# Altium PCB Main_Board.PcbDoc (part 13 of 19)
Units mil, origin at the board's own origin, x right, y up, seen from the top; angles counter-clockwise.
Board outline 5306 x 6610 mil, 12 copper layers ((L1) Top, (L2) Inner 1, (L3) Inner 2, (L4) Inner 3, (L5) Inner 4, (L6) Inner 5, (L7) Inner 6, (L8) Inner 7, (L9) Inner 8, (L10) Inner 9, (L11) Inner 10, (L12) Bottom), stack 94.81 mil thick; 347 components, 571 nets, 2611 pads, 4053 vias.
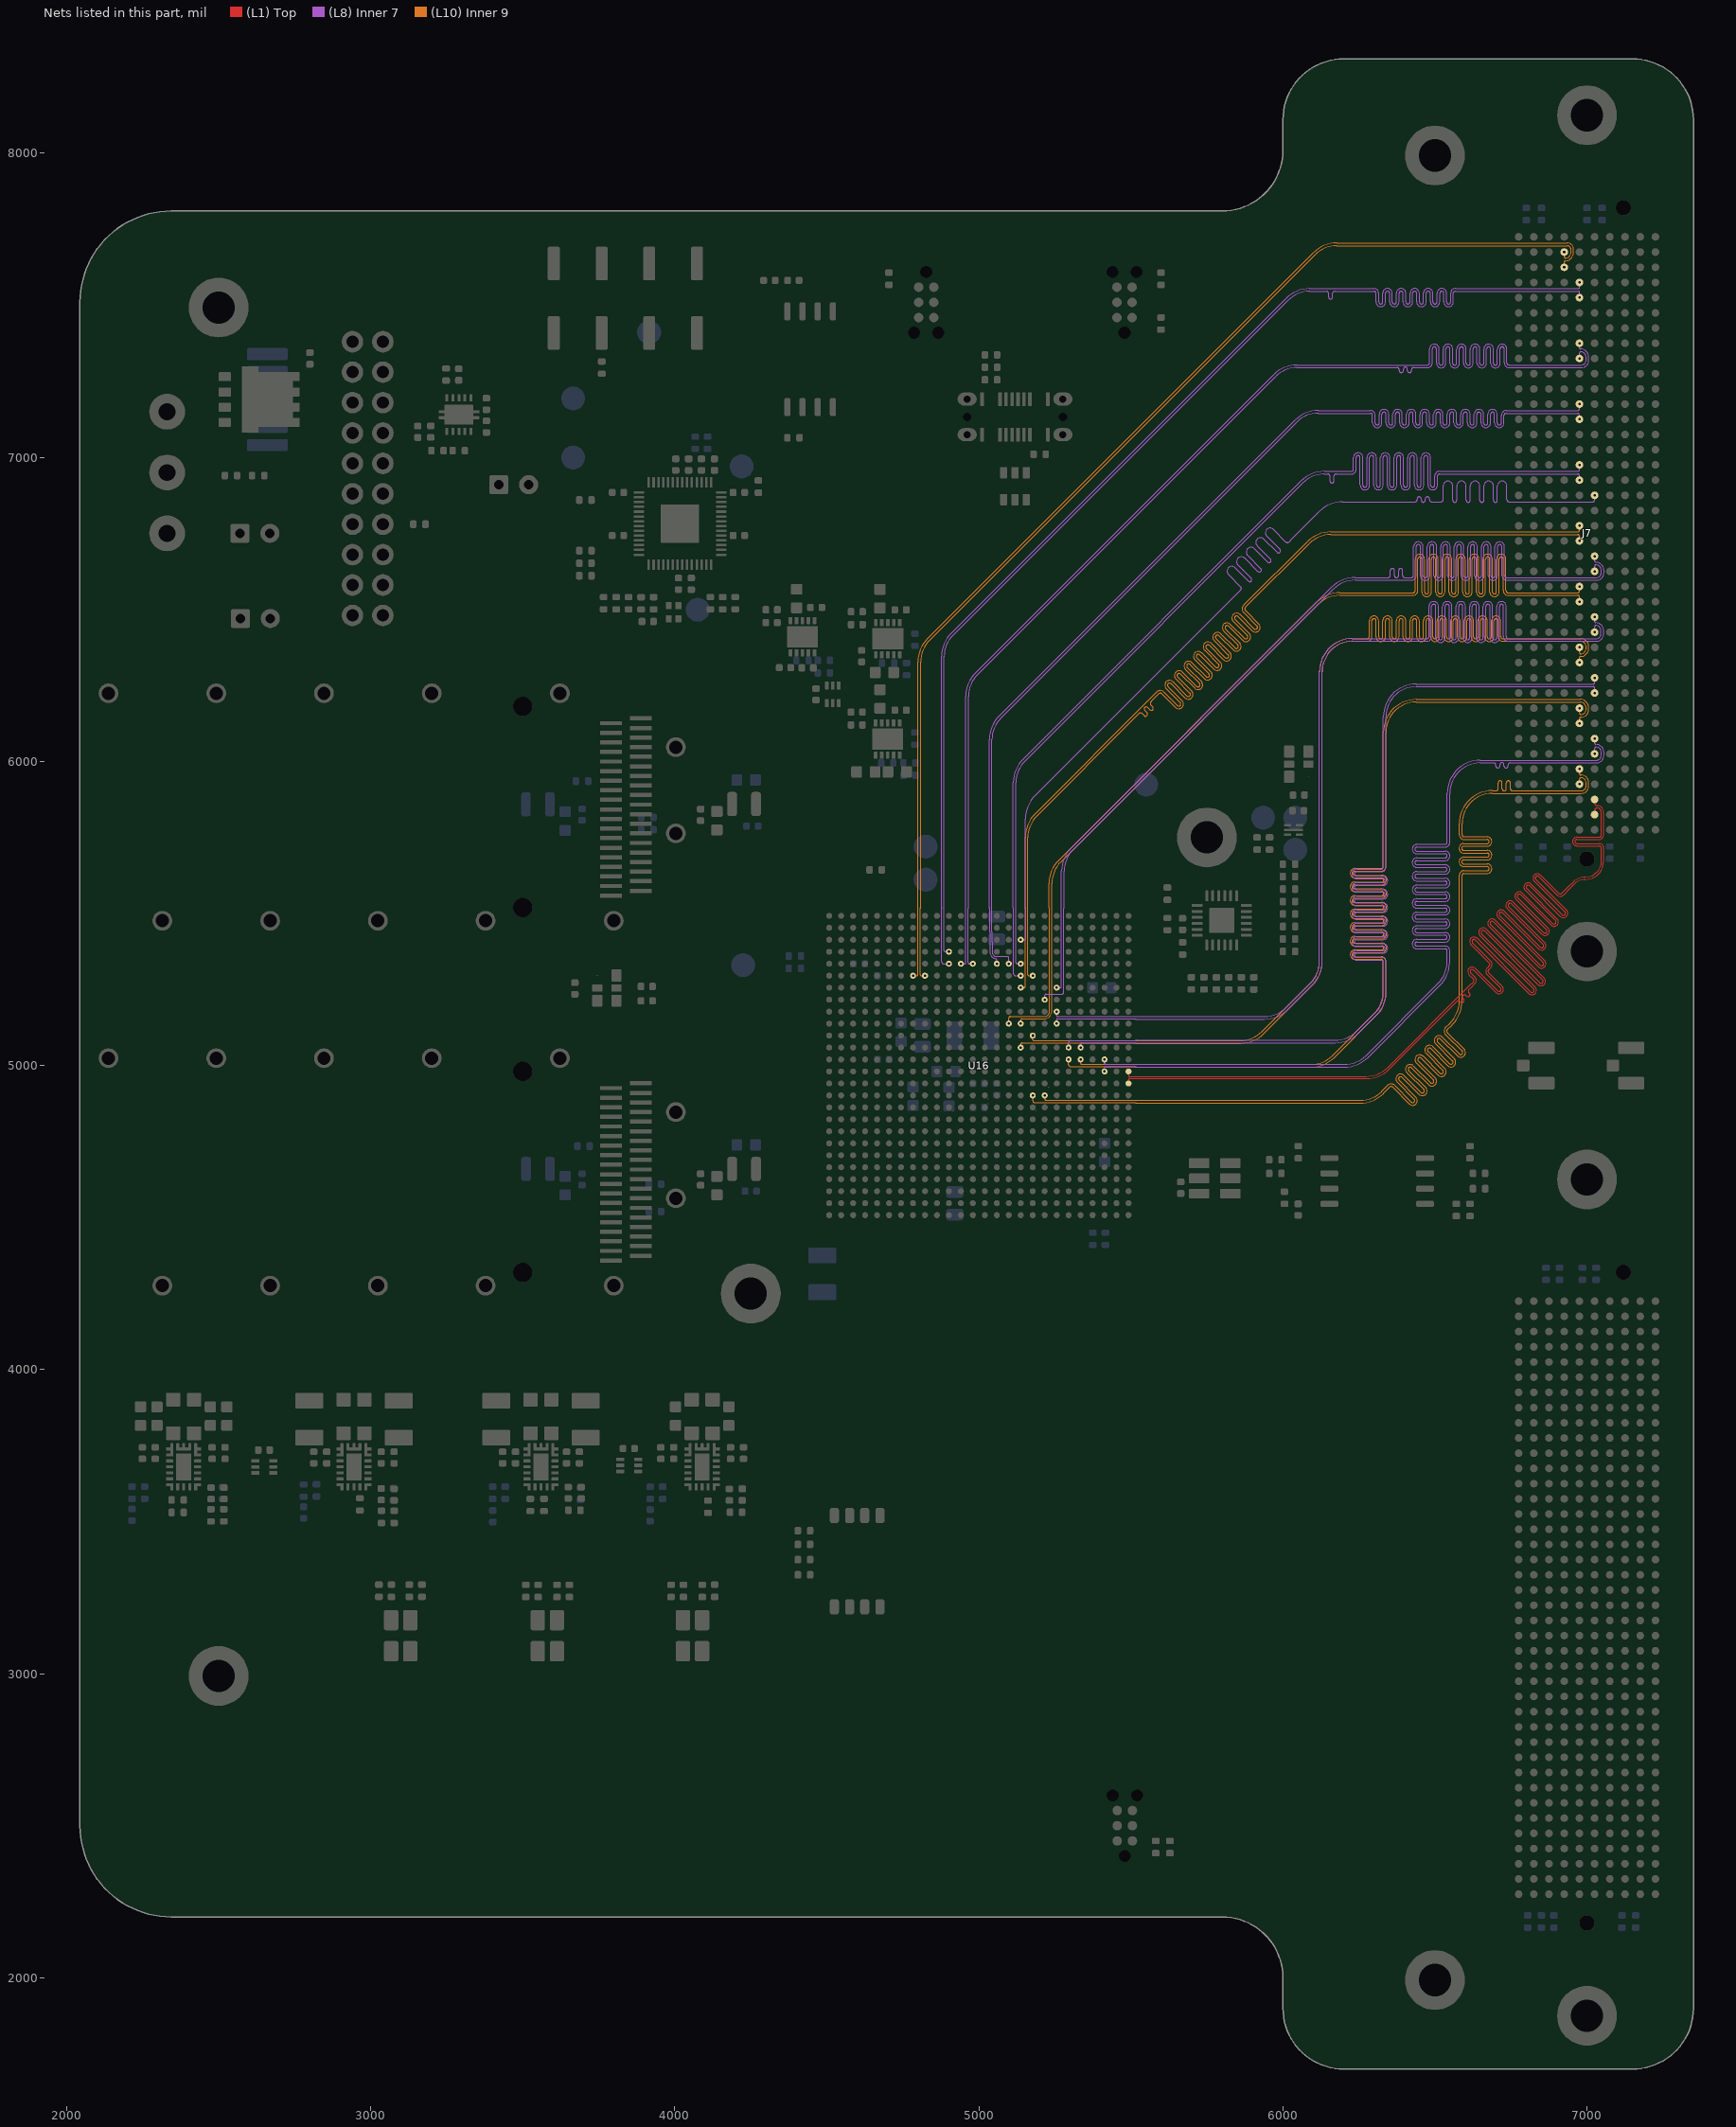
[diagram p23: the nets of this part, all layers, seen from the top]

## Via types
v1: diameter 13.78, hole 7.87, (L1) Top to (L12) Bottom, tented both sides, 4044 vias
v2: diameter 13.78, hole 7.87, (L1) Top to (L12) Bottom, tented bottom, 9 vias

## Nets (pads, with @x,y where several pads share a name; then routed paths per layer and width w, separated by ;. In a path a pad name is that pad's centre, name@x,y a point inside that pad or via, vN(x,y) a via of type N, cw(c..) or ccw(c..) an arc to the next point about the centre after c; other vN are vias at no path point) (continued)
HPCC_B_29_P: J7.E18 U16.C17 | length 4129.2
  (L8) Inner 7 w3.5: v1(5137.8,5413.39) 5150.31,5413.39 ccw(c5150.31,5416.89) 5152.78,5414.41 ccw(c5150.31,5416.89) 5153.81,5416.89 5153.81,5516.23 ccw(c5151.33,5516.23) 5153.08,5517.98 cw(c5154.83,5519.73) 5152.36,5519.73 5152.36,5809.73 cw(c5261.16,5809.73) 5184.22,5886.67 5857.23,6559.67 5861.58,6564.02 ccw(c5856.81,6568.8) 5861.58,6573.57 5820.66,6614.49 cw(c5831.63,6625.51) 5820.63,6636.5 cw(c5831.63,6625.51) 5841.16,6637.79 5841.34,6637.79 5886.22,6592.91 ccw(c5890.97,6597.7) 5895.75,6592.93 ccw(c5890.97,6597.7) 5895.73,6602.49 ; 5852.2,6646.02 5895.72,6602.5 ; 5852.19,6646.03 cw(c5863.17,6657.05) 5852.17,6668.04 cw(c5863.17,6657.05) 5872.7,6669.33 5872.87,6669.33 5917.76,6624.44 ccw(c5922.51,6629.24) 5927.28,6624.47 ccw(c5922.51,6629.24) 5927.27,6634.03 5883.73,6677.56 ; 5883.72,6677.57 cw(c5894.7,6688.58) 5883.71,6699.58 cw(c5894.7,6688.58) 5904.24,6700.87 5904.41,6700.87 5949.3,6655.98 ccw(c5954.05,6660.77) 5958.82,6656 ccw(c5954.05,6660.77) 5958.8,6665.56 ; 5958.79,6665.57 5915.27,6709.1 cw(c5926.24,6720.12) 5915.24,6731.11 cw(c5926.24,6720.12) 5935.77,6732.4 5935.95,6732.4 5980.83,6687.52 ccw(c5985.58,6692.31) 5990.36,6687.54 ccw(c5985.58,6692.31) 5990.34,6697.1 5946.81,6740.63 cw(c5957.78,6751.66) 5946.78,6762.65 cw(c5957.78,6751.66) 5967.31,6763.94 5967.48,6763.94 6009.72,6721.71 ccw(c6014.49,6726.48) 6019.26,6721.71 6032.73,6735.17 6119.49,6821.93 cw(c6196.42,6745) 6196.42,6853.8 6432.94,6853.8 6434.69,6853.8 ccw(c6434.69,6860.55) 6441.44,6860.55 6441.44,6863.35 cw(c6448.19,6863.35) 6454.94,6863.35 6454.94,6859.1 ccw(c6461.69,6859.1) 6468.44,6859.1 6468.44,6863.35 cw(c6475.19,6863.35) 6481.94,6863.35 6481.94,6860.55 ccw(c6488.69,6860.55) 6488.69,6853.8 6512.84,6853.8 6514.19,6853.8 6520.34,6853.8 ccw(c6520.34,6860.55) 6527.09,6860.55 6527.09,6906.08 cw(c6542.64,6906.08) 6558.19,6906.08 6558.19,6858.88 ccw(c6564.94,6858.88) 6571.69,6858.88 6571.69,6906.08 cw(c6587.24,6906.08) 6602.79,6906.08 6602.79,6858.88 ccw(c6609.54,6858.88) 6616.29,6858.88 6616.29,6906.08 cw(c6631.84,6906.08) 6647.39,6906.08 6647.39,6858.88 ccw(c6654.14,6858.88) 6660.89,6858.88 6660.89,6906.08 cw(c6676.44,6906.08) 6691.99,6906.08 6691.99,6858.88 ccw(c6698.74,6858.88) 6705.49,6858.88 6705.49,6906.08 cw(c6721.04,6906.08) 6736.59,6906.08 6736.59,6860.55 ccw(c6743.34,6860.55) 6743.34,6853.8 6779.97,6853.8 7019,6853.8 ccw(c7019,6859.8) 7025,6859.8 v1(7025,6875)
HPCC_B_30_N: J7.E23 U16.G20 | length 4265.7
  (L8) Inner 7 w3.5: v1(5255.91,5255.91) 5268.15,5255.91 ccw(c5268.15,5259.41) 5271.65,5259.41 5271.65,5639.03 cw(c5380.45,5639.03) 5303.52,5715.96 6160.49,6572.93 cw(c6237.42,6496) 6237.42,6604.8 6344.75,6604.8 6346.5,6604.8 ccw(c6346.5,6611.55) 6353.25,6611.55 6353.25,6627.6 cw(c6360,6627.6) 6366.75,6627.6 6366.75,6610.72 ccw(c6373.5,6610.72) 6380.25,6610.72 6380.25,6627.6 cw(c6387,6627.6) 6393.75,6627.6 6393.75,6611.55 ccw(c6400.5,6611.55) 6400.5,6604.8 6409.84,6604.8 6417,6604.8 6423.15,6604.8 ccw(c6423.15,6611.55) 6429.9,6611.55 6429.9,6706.41 cw(c6445.45,6706.41) 6461,6706.41 6461,6611.12 ccw(c6467.75,6611.12) 6474.5,6611.12 6474.5,6706.41 cw(c6490.05,6706.41) 6505.6,6706.41 6505.6,6611.12 ccw(c6512.35,6611.12) 6519.1,6611.12 6519.1,6706.41 cw(c6534.65,6706.41) 6550.2,6706.41 6550.2,6611.12 ccw(c6556.95,6611.12) 6563.7,6611.12 6563.7,6706.41 cw(c6579.25,6706.41) 6594.8,6706.41 6594.8,6611.12 ccw(c6601.55,6611.12) 6608.3,6611.12 6608.3,6706.41 cw(c6623.85,6706.41) 6639.4,6706.41 6639.4,6611.12 ccw(c6646.15,6611.12) 6652.9,6611.12 6652.9,6706.41 cw(c6668.45,6706.41) 6684,6706.41 6684,6611.12 ccw(c6690.75,6611.12) 6697.5,6611.12 6697.5,6706.41 cw(c6713.05,6706.41) 6728.6,6706.41 6728.6,6611.55 ccw(c6735.35,6611.55) 6735.35,6604.8 6753,6604.8 7030.8,6604.8 ccw(c7030.8,6621) 7047,6621 7047,6628 ccw(c7029,6628) 7029,6646 ccw(c7029,6642) 7025,6642 v1(7025,6625)
HPCC_B_30_P: J7.E22 U16.H19 | length 4265.1
  (L8) Inner 7 w3.5: v1(5216.54,5216.54) 5216.54,5229.54 cw(c5222,5229.54) 5222,5235 5273,5235 ccw(c5273,5241) 5279,5241 5279,5516.23 cw(c5281.48,5516.23) 5279.72,5517.98 ; 5279.73,5517.98 ccw(c5277.97,5519.73) 5280.45,5519.73 5280.45,5639.03 cw(c5380.45,5639.03) 5309.74,5709.74 6166.71,6566.71 cw(c6237.42,6496) 6237.42,6596 6417,6596 6423.15,6596 ccw(c6423.15,6611.55) 6438.7,6611.55 6438.7,6706.41 cw(c6445.45,6706.41) 6452.2,6706.41 6452.2,6611.12 ccw(c6467.75,6611.12) 6483.3,6611.12 6483.3,6706.41 cw(c6490.05,6706.41) 6496.8,6706.41 6496.8,6611.12 ccw(c6512.35,6611.12) 6527.9,6611.12 6527.9,6706.41 cw(c6534.65,6706.41) 6541.4,6706.41 6541.4,6611.12 ccw(c6556.95,6611.12) 6572.5,6611.12 6572.5,6706.41 cw(c6579.25,6706.41) 6586,6706.41 6586,6611.12 ccw(c6601.55,6611.12) 6617.1,6611.12 6617.1,6706.41 cw(c6623.85,6706.41) 6630.6,6706.41 6630.6,6611.12 ccw(c6646.15,6611.12) 6661.7,6611.12 6661.7,6706.41 cw(c6668.45,6706.41) 6675.2,6706.41 6675.2,6611.12 ccw(c6690.75,6611.12) 6706.3,6611.12 6706.3,6706.41 cw(c6713.05,6706.41) 6719.8,6706.41 6719.8,6611.55 ccw(c6735.35,6611.55) 6735.35,6596 6753,6596 7030.8,6596 ccw(c7030.8,6621) 7055.8,6621 7055.8,6628 ccw(c7029,6628) 7029,6654.8 cw(c7029,6658.8) 7025,6658.8 v1(7025,6675)
HPCC_B_31_N: J7.E27 U16.J20 | length 4367.4
  (L8) Inner 7 w3.5: v1(5255.91,5177.17) 5255.91,5164.66 ccw(c5259.41,5164.66) 5256.93,5162.18 ccw(c5259.41,5164.66) 5259.41,5161.16 5939.73,5161.16 ccw(c5939.73,5261.16) 6010.44,5190.44 6090.71,5270.71 ccw(c6020,5341.42) 6120,5341.42 6120,6295 cw(c6228.8,6295) 6228.8,6403.8 6429.99,6403.8 6473.45,6403.8 ccw(c6473.45,6410.55) 6480.2,6410.55 6480.2,6510.05 cw(c6495.75,6510.05) 6511.3,6510.05 6511.3,6406.61 ccw(c6518.05,6406.61) 6524.8,6406.61 6524.8,6510.05 cw(c6540.35,6510.05) 6555.9,6510.05 6555.9,6406.61 ccw(c6562.65,6406.61) 6569.4,6406.61 6569.4,6510.05 cw(c6584.95,6510.05) 6600.5,6510.05 6600.5,6406.61 ccw(c6607.25,6406.61) 6614,6406.61 6614,6510.05 cw(c6629.55,6510.05) 6645.1,6510.05 6645.1,6406.61 ccw(c6651.85,6406.61) 6658.6,6406.61 6658.6,6510.05 cw(c6674.15,6510.05) 6689.7,6510.05 6689.7,6406.61 ccw(c6696.45,6406.61) 6703.2,6406.61 6703.2,6510.05 cw(c6718.75,6510.05) 6734.3,6510.05 6734.3,6410.55 ccw(c6741.05,6410.55) 6741.05,6403.8 6769.5,6403.8 7030.8,6403.8 ccw(c7030.8,6419) 7046,6419 7046,6430 ccw(c7029,6430) 7029,6447 ccw(c7029,6443) 7025,6443 v1(7025,6425)
HPCC_B_31_P: J7.E26 U16.K20 | length 4393.1
  (L8) Inner 7 w3.5: v1(5255.91,5137.8) 5255.91,5150.31 cw(c5259.41,5150.31) 5256.93,5152.78 cw(c5259.41,5150.31) 5259.41,5153.81 5515,5153.81 ccw(c5516.45,5153.81) 5516.45,5152.36 5939.73,5152.36 ccw(c5939.73,5261.16) 6016.67,5184.22 6096.93,5264.49 ccw(c6020,5341.42) 6128.8,5341.42 6128.8,6295 cw(c6228.8,6295) 6228.8,6395 6429.99,6395 6473.45,6395 ccw(c6473.45,6410.55) 6489,6410.55 6489,6510.05 cw(c6495.75,6510.05) 6502.5,6510.05 6502.5,6406.61 ccw(c6518.05,6406.61) 6533.6,6406.61 6533.6,6510.05 cw(c6540.35,6510.05) 6547.1,6510.05 6547.1,6406.61 ccw(c6562.65,6406.61) 6578.2,6406.61 6578.2,6510.05 cw(c6584.95,6510.05) 6591.7,6510.05 6591.7,6406.61 ccw(c6607.25,6406.61) 6622.8,6406.61 6622.8,6510.05 cw(c6629.55,6510.05) 6636.3,6510.05 6636.3,6406.61 ccw(c6651.85,6406.61) 6667.4,6406.61 6667.4,6510.05 cw(c6674.15,6510.05) 6680.9,6510.05 6680.9,6406.61 ccw(c6696.45,6406.61) 6712,6406.61 6712,6510.05 cw(c6718.75,6510.05) 6725.5,6510.05 6725.5,6410.55 ccw(c6741.05,6410.55) 6741.05,6395 6769.5,6395 7030.8,6395 ccw(c7030.8,6419) 7054.8,6419 7054.8,6430 ccw(c7029,6430) 7029,6455.8 cw(c7029,6459.8) 7025,6459.8 v1(7025,6475)
HPCC_B_32_N: J7.E31 U16.M22 | length 4159.9
  (L8) Inner 7 w3.5: v1(5334.65,5059.06) 5334.65,5071.5 cw(c5338.15,5071.5) 5338.15,5075 6172.38,5075 ccw(c6172.38,5183.8) 6249.31,5106.87 6306.93,5164.49 ccw(c6230,5241.42) 6338.8,5241.42 6338.8,5334.2 6338.8,5340.35 ccw(c6323.25,5340.35) 6323.25,5355.9 6242,5355.9 cw(c6242,5362.65) 6242,5369.4 6329.29,5369.4 ccw(c6329.29,5384.95) 6329.29,5400.5 6242,5400.5 cw(c6242,5407.25) 6242,5414 6329.29,5414 ccw(c6329.29,5429.55) 6329.29,5445.1 6242,5445.1 cw(c6242,5451.85) 6242,5458.6 6329.29,5458.6 ccw(c6329.29,5474.15) 6329.29,5489.7 6242,5489.7 cw(c6242,5496.45) 6242,5503.2 6329.29,5503.2 ccw(c6329.29,5518.75) 6329.29,5534.3 6242,5534.3 cw(c6242,5541.05) 6242,5547.8 6329.29,5547.8 ccw(c6329.29,5563.35) 6329.29,5578.9 6242,5578.9 cw(c6242,5585.65) 6242,5592.4 6329.29,5592.4 ccw(c6329.29,5607.95) 6329.29,5623.5 6242,5623.5 cw(c6242,5630.25) 6242,5637 6323.25,5637 ccw(c6323.25,5652.55) 6338.8,5652.55 6338.8,5678.2 6338.8,6146 cw(c6438.8,6146) 6438.8,6246 7021,6246 cw(c7021,6242) 7025,6242 v1(7025,6225)
HPCC_B_32_P: J7.E30 U16.M21 | length 4205.1
  (L8) Inner 7 w3.5: v1(5295.28,5059.06) 5295.28,5075.28 cw(c5302.35,5075.28) 5302.35,5082.35 5515,5082.35 cw(c5516.45,5082.35) 5516.45,5083.8 6172.38,5083.8 ccw(c6172.38,5183.8) 6243.09,5113.09 6300.71,5170.71 ccw(c6230,5241.42) 6330,5241.42 6330,5334.2 6330,5340.35 ccw(c6323.25,5340.35) 6323.25,5347.1 6242,5347.1 cw(c6242,5362.65) 6242,5378.2 6329.29,5378.2 ccw(c6329.29,5384.95) 6329.29,5391.7 6242,5391.7 cw(c6242,5407.25) 6242,5422.8 6329.29,5422.8 ccw(c6329.29,5429.55) 6329.29,5436.3 6242,5436.3 cw(c6242,5451.85) 6242,5467.4 6329.29,5467.4 ccw(c6329.29,5474.15) 6329.29,5480.9 6242,5480.9 cw(c6242,5496.45) 6242,5512 6329.29,5512 ccw(c6329.29,5518.75) 6329.29,5525.5 6242,5525.5 cw(c6242,5541.05) 6242,5556.6 6329.29,5556.6 ccw(c6329.29,5563.35) 6329.29,5570.1 6242,5570.1 cw(c6242,5585.65) 6242,5601.2 6329.29,5601.2 ccw(c6329.29,5607.95) 6329.29,5614.7 6242,5614.7 cw(c6242,5630.25) 6242,5645.8 6323.25,5645.8 ccw(c6323.25,5652.55) 6330,5652.55 6330,5678.2 6330,6146 cw(c6438.8,6146) 6438.8,6254.8 7021,6254.8 ccw(c7021,6258.8) 7025,6258.8 v1(7025,6275)
HPCC_B_33_N: J7.E35 U16.N24 | length 4175
  (L8) Inner 7 w3.5: v1(5413.39,5019.69) 5413.39,5007.18 ccw(c5416.89,5007.18) 5414.41,5004.7 ccw(c5416.89,5007.18) 5416.89,5003.68 6202.25,5003.68 ccw(c6202.25,5103.68) 6272.96,5032.96 6510.71,5270.71 ccw(c6440,5341.42) 6540,5341.42 6540,5371 6540,5377.15 ccw(c6533.25,5377.15) 6533.25,5383.9 6440.66,5383.9 cw(c6440.66,5399.45) 6440.66,5415 6533.26,5415 ccw(c6533.26,5421.75) 6533.26,5428.5 6440.66,5428.5 cw(c6440.66,5444.05) 6440.66,5459.6 6533.26,5459.6 ccw(c6533.26,5466.35) 6533.26,5473.1 6440.66,5473.1 cw(c6440.66,5488.65) 6440.66,5504.2 6533.26,5504.2 ccw(c6533.26,5510.95) 6533.26,5517.7 6440.66,5517.7 cw(c6440.66,5533.25) 6440.66,5548.8 6533.26,5548.8 ccw(c6533.26,5555.55) 6533.26,5562.3 6440.66,5562.3 cw(c6440.66,5577.85) 6440.66,5593.4 6533.26,5593.4 ccw(c6533.26,5600.15) 6533.26,5606.9 6440.66,5606.9 cw(c6440.66,5622.45) 6440.66,5638 6533.26,5638 ccw(c6533.26,5644.75) 6533.26,5651.5 6440.66,5651.5 cw(c6440.66,5667.05) 6440.66,5682.6 6533.26,5682.6 ccw(c6533.26,5689.35) 6533.26,5696.1 6440.66,5696.1 cw(c6440.66,5711.65) 6440.66,5727.2 6533.25,5727.2 ccw(c6533.25,5733.95) 6540,5733.95 6540,5781 6540,5895 cw(c6648.8,5895) 6648.8,6003.8 7029.8,6003.8 ccw(c7029.8,6021) 7047,6021 7047,6029 ccw(c7029,6029) 7029,6047 ccw(c7029,6043) 7025,6043 v1(7025,6025)
HPCC_B_33_P: J7.E34 U16.P24 | length 4245.5
  (L8) Inner 7 w3.5: v1(5413.39,4980.31) 5413.39,4992.83 cw(c5416.89,4992.83) 5414.41,4995.3 cw(c5416.89,4992.82) 5416.89,4996.33 5515,4996.33 ccw(c5516.45,4996.33) 5516.45,4994.88 6202.25,4994.88 ccw(c6202.25,5103.68) 6279.19,5026.74 6516.93,5264.49 ccw(c6440,5341.42) 6548.8,5341.42 6548.8,5371 6548.8,5377.15 ccw(c6533.25,5377.15) 6533.25,5392.7 6440.66,5392.7 cw(c6440.66,5399.45) 6440.66,5406.2 6533.26,5406.2 ccw(c6533.26,5421.75) 6533.26,5437.3 6440.66,5437.3 cw(c6440.66,5444.05) 6440.66,5450.8 6533.26,5450.8 ccw(c6533.26,5466.35) 6533.26,5481.9 6440.66,5481.9 cw(c6440.66,5488.65) 6440.66,5495.4 6533.26,5495.4 ccw(c6533.26,5510.95) 6533.26,5526.5 6440.66,5526.5 cw(c6440.66,5533.25) 6440.66,5540 6533.26,5540 ccw(c6533.26,5555.55) 6533.26,5571.1 6440.66,5571.1 cw(c6440.66,5577.85) 6440.66,5584.6 6533.26,5584.6 ccw(c6533.26,5600.15) 6533.26,5615.7 6440.66,5615.7 cw(c6440.66,5622.45) 6440.66,5629.2 6533.26,5629.2 ccw(c6533.26,5644.75) 6533.26,5660.3 6440.66,5660.3 cw(c6440.66,5667.05) 6440.66,5673.8 6533.26,5673.8 ccw(c6533.26,5689.35) 6533.26,5704.9 6440.66,5704.9 cw(c6440.66,5711.65) 6440.66,5718.4 6533.25,5718.4 ccw(c6533.25,5733.95) 6548.8,5733.95 6548.8,5781 6548.8,5895 cw(c6648.8,5895) 6648.8,5995 6678,5995 6693.25,5995 cw(c6693.25,5988.25) 6700,5988.25 6700,5985.47 ccw(c6706.75,5985.47) 6713.5,5985.47 6713.5,5989.7 cw(c6720.25,5989.7) 6727,5989.7 6727,5985.47 ccw(c6733.75,5985.47) 6740.5,5985.47 6740.5,5988.25 cw(c6747.25,5988.25) 6747.25,5995 6759.68,5995 7029.8,5995 ccw(c7029.8,6021) 7055.8,6021 7055.8,6029 ccw(c7029,6029) 7029,6055.8 cw(c7029,6059.8) 7025,6059.8 v1(7025,6075)
HPCC_B_34_N: J7.E39 U16.P26 | length 5429.9
  (L1) Top w3.5: U16.P26@5492.13,4980.31 5492.13,4967.81 ccw(c5495.63,4967.81) 5493.15,4965.33 ccw(c5495.63,4967.81) 5495.63,4964.31 6273.88,4964.31 ccw(c6273.88,5064.31) 6344.59,4993.59 6614.67,5263.67 6626.21,5275.21 ccw(c6621.43,5279.98) 6626.19,5284.77 ; 6611.89,5299.07 6626.18,5284.78 ; 6611.88,5299.08 cw(c6621.97,5309.21) 6611.83,5319.29 cw(c6621.97,5309.21) 6630.84,5320.43 6630.98,5320.43 6705.81,5245.6 ccw(c6710.58,5250.37) 6715.35,5245.6 ccw(c6710.58,5250.37) 6715.35,5255.15 6670.86,5299.64 cw(c6680.97,5309.75) 6670.86,5319.86 6674.77,5323.77 6678.67,5327.67 ccw(c6673.9,5332.45) 6678.66,5337.24 6618.14,5397.76 cw(c6628.22,5407.9) 6618.08,5417.97 ; 6618.11,5418.01 cw(c6628.22,5407.9) 6637.09,5419.11 6637.23,5419.11 6814.34,5242 ccw(c6819.11,5246.78) 6823.88,5242 ccw(c6819.11,5246.78) 6823.87,5251.56 ; 6647.85,5447.74 ccw(c6657.99,5437.67) 6647.9,5427.53 6823.86,5251.58 ; 6647.88,5447.78 cw(c6657.99,5437.67) 6666.86,5448.88 6667,5448.88 6844.11,5271.77 ccw(c6848.88,5276.55) 6853.65,5271.77 ccw(c6848.88,5276.55) 6853.64,5281.33 6677.67,5457.3 cw(c6687.76,5467.43) 6677.61,5477.51 ; 6677.65,5477.55 cw(c6687.76,5467.43) 6696.63,5478.65 6696.77,5478.65 6845.82,5329.6 ccw(c6850.59,5334.37) 6855.36,5329.6 ccw(c6850.59,5334.37) 6855.35,5339.16 6707.44,5487.07 cw(c6717.53,5497.2) 6707.38,5507.28 cw(c6717.53,5497.2) 6726.4,5508.42 6726.53,5508.42 6845.82,5389.14 ccw(c6850.59,5393.91) 6855.36,5389.14 ccw(c6850.59,5393.91) 6855.35,5398.69 6737.21,5516.84 cw(c6747.3,5526.97) 6737.15,5537.05 ; 6737.19,5537.08 cw(c6747.3,5526.97) 6756.17,5538.19 6756.3,5538.19 6857.18,5437.31 ccw(c6861.95,5442.09) 6866.73,5437.31 ccw(c6861.95,5442.09) 6866.72,5446.87 ; 6766.92,5566.82 ccw(c6777.07,5556.74) 6766.98,5546.61 6866.7,5446.88 ; 6766.96,5566.85 cw(c6777.07,5556.74) 6785.94,5567.96 6786.07,5567.96 6886.95,5467.08 ccw(c6891.72,5471.85) 6896.5,5467.08 ccw(c6891.72,5471.85) 6896.49,5476.64 ; 6796.75,5576.37 6896.47,5476.65 ; 6796.75,5576.38 cw(c6806.84,5586.51) 6796.69,5596.59 cw(c6806.84,5586.51) 6815.71,5597.73 6815.84,5597.73 6917.71,5495.86 ccw(c6922.49,5500.63) 6927.26,5495.86 ccw(c6922.49,5500.63) 6927.25,5505.41 ; 6826.46,5626.36 ccw(c6836.61,5616.28) 6826.52,5606.15 6927.23,5505.43 ; 6826.49,5626.39 cw(c6836.61,5616.28) 6845.47,5627.5 6845.61,5627.5 6907.28,5565.83 ccw(c6912.05,5570.6) 6916.83,5565.83 6940.5,5589.5 6953.26,5602.26 cw(c6995,5560.52) 6995,5619.55 ccw(c6995,5671.55) 7047,5671.55 7047,5710.17 7047,5715.7 ccw(c7040.25,5715.7) 7040.25,5722.45 6966.7,5722.45 cw(c6966.7,5736.75) 6966.7,5751.05 7040.25,5751.05 ccw(c7040.25,5757.8) 7047,5757.8 7047,5779.52 7047,5833 ccw(c7033,5833) 7033,5847 ccw(c7033,5839) 7025,5839 J7.E39@7025,5825
HPCC_B_34_P: J7.E38 U16.R26 | length 5495.8
  (L1) Top w3.5: U16.R26@5492.13,4940.94 5492.13,4953.45 cw(c5495.63,4953.45) 5493.15,4955.93 cw(c5495.63,4953.45) 5495.63,4956.95 5518.55,4956.95 5518.75,4956.76 6273.82,4956.76 ccw(c6273.88,5064.3) 6349.91,4988.23 ; 6349.93,4988.26 6562.2,5200.53 6572.99,5211.31 cw(c6577.76,5206.54) 6582.53,5211.31 6584.71,5209.13 ccw(c6589.49,5213.9) 6594.26,5209.13 ccw(c6589.49,5213.9) 6594.26,5218.67 ; 6594.26,5218.68 6591.94,5221 cw(c6596.71,5225.77) 6591.94,5230.54 cw(c6596.71,5225.77) 6601.48,5230.54 6603.81,5228.22 ccw(c6608.58,5232.99) 6613.35,5228.22 ccw(c6608.58,5232.99) 6613.35,5237.77 6611.17,5239.95 cw(c6615.94,5244.72) 6611.17,5249.49 6618.61,5256.93 6620.01,5258.33 6631.55,5269.87 ccw(c6621.43,5279.98) 6632.65,5288.85 6632.65,5288.99 6631.56,5290.08 6617.2,5304.44 cw(c6621.97,5309.21) 6617.2,5313.98 cw(c6621.97,5309.21) 6626.75,5313.97 6700.44,5240.28 ccw(c6710.58,5250.37) 6720.66,5240.22 ; 6662.77,5442.43 ccw(c6657.99,5437.67) 6653.22,5442.44 ccw(c6657.99,5437.67) 6653.22,5432.89 6830.33,5255.78 6830.33,5255.65 cw(c6819.11,5246.78) 6829.22,5236.67 cw(c6819.11,5246.78) 6808.98,5236.69 ; 6662.79,5442.41 6838.74,5266.46 ccw(c6848.88,5276.55) 6858.96,5266.4 ; 6720.69,5240.26 ccw(c6710.58,5250.37) 6721.8,5259.24 6721.8,5259.38 6676.2,5304.98 cw(c6680.97,5309.75) 6676.2,5314.52 6680.11,5318.43 6684.01,5322.34 ccw(c6673.9,5332.45) 6685.12,5341.32 6685.12,5341.45 6684.02,5342.55 6623.45,5403.12 cw(c6628.22,5407.9) 6623.45,5412.67 cw(c6628.22,5407.9) 6633,5412.66 6808.97,5236.69 ; 6722.31,5501.97 ccw(c6717.53,5497.2) 6712.76,5501.98 ccw(c6717.53,5497.2) 6712.76,5492.43 6861.81,5343.38 6861.81,5343.24 cw(c6850.59,5334.37) 6860.7,5324.26 ; 6722.33,5501.95 6840.45,5383.83 ; 6752.1,5531.72 6851.82,5432 ccw(c6861.95,5442.09) 6872.03,5431.94 ccw(c6861.95,5442.09) 6873.17,5450.95 6873.17,5451.09 6772.29,5551.97 cw(c6777.07,5556.74) 6772.29,5561.51 cw(c6777.07,5556.74) 6781.85,5561.5 6881.59,5461.77 ccw(c6891.72,5471.85) 6901.8,5461.71 ; 6752.08,5531.74 ccw(c6747.3,5526.97) 6742.53,5531.75 ccw(c6747.3,5526.97) 6742.52,5522.2 6861.81,5402.92 6861.81,5402.78 cw(c6850.59,5393.91) 6860.7,5383.8 ; 6811.62,5591.27 ccw(c6806.84,5586.51) 6802.06,5591.28 ccw(c6806.84,5586.51) 6802.06,5581.74 6902.94,5480.86 6902.94,5480.72 cw(c6891.72,5471.85) 6901.83,5461.74 ; 6811.64,5591.26 6912.35,5490.54 ccw(c6922.49,5500.63) 6932.56,5490.48 ; 6840.46,5383.82 ccw(c6850.59,5393.91) 6860.67,5383.77 ; 6858.99,5266.43 ccw(c6848.88,5276.55) 6860.1,5285.42 6860.1,5285.55 6682.99,5462.66 cw(c6687.76,5467.43) 6682.99,5472.21 cw(c6687.76,5467.43) 6692.54,5472.2 6840.45,5324.29 ccw(c6850.59,5334.37) 6860.67,5324.23 ; 6932.6,5490.52 ccw(c6922.49,5500.63) 6933.7,5509.5 6933.7,5509.64 6831.83,5611.51 cw(c6836.61,5616.28) 6831.83,5621.05 cw(c6836.61,5616.28) 6841.39,5621.04 6901.94,5560.49 ccw(c6912.05,5570.6) 6922.17,5560.49 6945.84,5584.16 6958.6,5596.92 cw(c6995,5560.52) 6995,5612 ccw(c6995,5671.55) 7054.55,5671.55 7054.55,5710.17 7054.55,5715.7 ccw(c7040.25,5715.7) 7040.25,5730 6966.7,5730 cw(c6966.7,5736.75) 6966.7,5743.5 7040.25,5743.5 ccw(c7040.25,5757.8) 7054.55,5757.8 7054.55,5779.52 7054.55,5833 ccw(c7033,5833) 7033,5854.55 cw(c7033,5862.55) 7025,5862.55 J7.E38@7025,5875
HPCC_B_35_N: J7.F5 U16.D11 | length 4139.8
  (L8) Inner 7 w3.5: v1(4901.57,5374.02) 4890,5374 cw(c4890,5378.39) 4885.61,5378.39 4885.61,6344.19 cw(c4985.61,6344.19) 4914.9,6414.9 6016.71,7516.71 cw(c6087.42,7446) 6087.42,7546 6128,7546 6143.25,7546 cw(c6143.25,7539.25) 6150,7539.25 6150,7526.84 ccw(c6156.75,7526.84) 6163.5,7526.84 6163.5,7539.25 cw(c6170.25,7539.25) 6170.25,7546 6185,7546 6271.98,7546 6299.45,7546 cw(c6299.45,7539.25) 6306.2,7539.25 6306.2,7511.07 ccw(c6321.75,7511.07) 6337.3,7511.07 6337.3,7539.43 cw(c6344.05,7539.43) 6350.8,7539.43 6350.8,7511.07 ccw(c6366.35,7511.07) 6381.9,7511.07 6381.9,7539.43 cw(c6388.65,7539.43) 6395.4,7539.43 6395.4,7511.07 ccw(c6410.95,7511.07) 6426.5,7511.07 6426.5,7539.43 cw(c6433.25,7539.43) 6440,7539.43 6440,7511.07 ccw(c6455.55,7511.07) 6471.1,7511.07 6471.1,7539.43 cw(c6477.85,7539.43) 6484.6,7539.43 6484.6,7511.07 ccw(c6500.15,7511.07) 6515.7,7511.07 6515.7,7539.43 cw(c6522.45,7539.43) 6529.2,7539.43 6529.2,7511.07 ccw(c6544.75,7511.07) 6560.3,7511.07 6560.3,7539.25 cw(c6567.05,7539.25) 6567.05,7546 6573.2,7546 6972,7546 cw(c6972,7543) 6975,7543 v1(6975,7525)